# KiCad board TKL.kicad_pcb (continued)
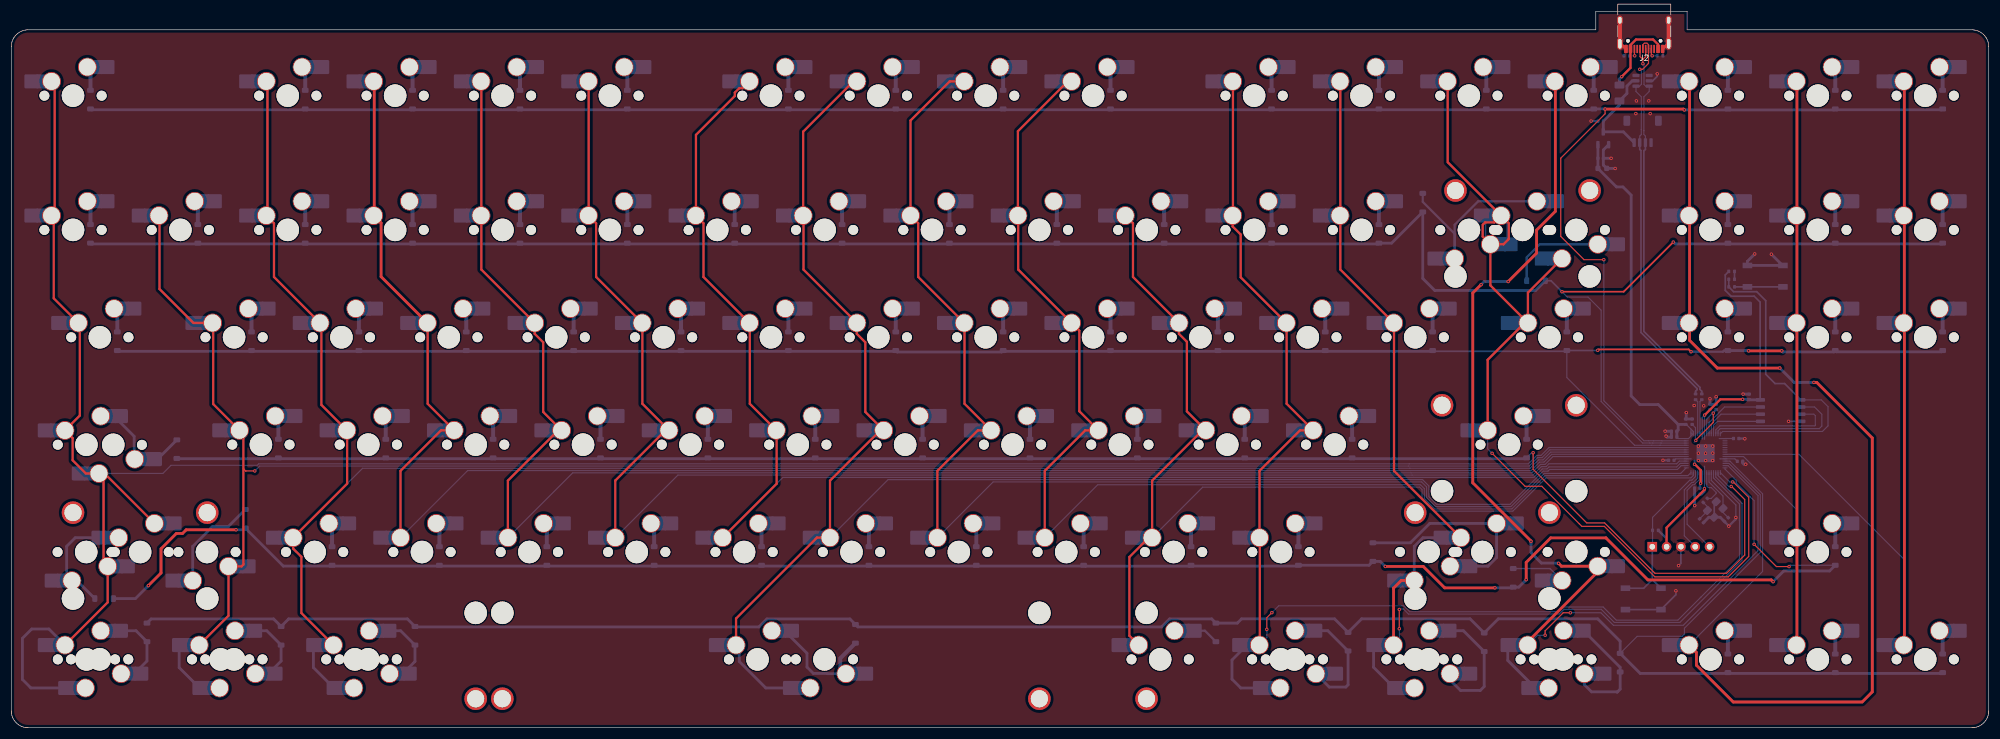
[diagram p0: board, top side]
## Footprints (pads in the part's own frame, mm; a bottom-side part is the same pattern mirrored in y, then rotated) (continued)
  rrect 0.3x1.45 smd: A5(-1.25,4.045) A6(-0.25,4.045) A7(0.25,4.045) A8(1.25,4.045) B5(1.75,4.045) B6(0.75,4.045) B7(-0.75,4.045) B8(-1.75,4.045)
  oval 1x2.1 hole 0.6x1.7: SH(-4.32,3.13) SH(4.32,3.13)
  oval 1x1.6 hole 0.6x1.2: SH(-4.32,-1.05) SH(4.32,-1.05)

## Nets
+1V1: C5.1 C6.1 C13.1 U1.23 U1.45 U1.50
+3V3: C2.1 C3.1 C7.1 C8.1 C9.1 C10.1 C11.1 C14.1 C15.1 C16.1 C17.1 J1.2 R5.2 R7.2 U1.1 U1.10 U1.22 U1.33 U1.42 U1.43 U1.44 U1.48 U1.49 U2.2 U4.8
+5V: C1.1 F1.2 J3.1 U2.3 U3.5
GND: BOOTSEL1.1 C1.2 C2.2 C3.2 C4.2 C5.2 C6.2 C7.2 C8.2 C9.2 C10.2 C11.2 C12.2 C13.2 C14.2 C15.2 C16.2 C17.2 J1.3 J2.A1 J2.A12 J2.B1 J2.B12 J2.SH J3.4 R3.2 R4.2 RESETSW1.1 U1.19 U1.57 U2.1 U3.2 U4.4 Y1.2 Y1.4
VBUS: F1.1 J2.A4 J2.A9 J2.B4 J2.B9
COL0: MX1.1 MX17.1 MX36.1 MX54.1 MX55.2 MX69.1 MX71.2 MX86.1 MX97.2 U1.38
COL1: MX18.1 MX37.1 MX56.1 MX70.1 MX87.1 MX98.2 U1.37
COL2: MX2.1 MX19.1 MX38.1 MX57.1 MX72.1 MX88.1 MX99.2 U1.36
COL3: MX3.1 MX20.1 MX39.1 MX58.1 MX73.1 U1.35
COL4: MX4.1 MX21.1 MX40.1 MX59.1 MX74.1 U1.34
COL5: MX5.1 MX22.1 MX41.1 MX60.1 MX75.1 U1.32
COL6: MX6.1 MX23.1 MX42.1 MX61.1 MX76.1 U1.31
COL7: MX7.1 MX24.1 MX43.1 MX62.1 MX77.1 MX89.1 MX100.2 U1.30
COL8: MX8.1 MX25.1 MX44.1 MX63.1 MX78.1 U1.29
COL9: MX9.1 MX26.1 MX45.1 MX64.1 MX79.1 U1.28
COL10: MX27.1 MX46.1 MX65.1 MX80.1 MX90.1 U1.27
COL11: MX10.1 MX28.1 MX47.1 MX66.1 MX81.1 MX91.2 MX101.1 U1.18
COL12: MX11.1 MX29.1 MX48.1 MX82.1 MX84.2 MX92.2 MX102.1 U1.17
COL13: MX12.1 MX30.1 MX34.1 MX35.2 MX49.1 MX67.1 U1.15
COL14: MX13.1 MX85.1 MX93.2 MX103.1 U1.13
COL15: MX14.1 MX31.1 MX50.1 MX94.1 U1.11
COL16: MX15.1 MX32.1 MX51.1 MX83.1 MX95.1 U1.9
COL17: MX16.1 MX33.1 MX52.1 MX96.1 U1.8
D+: J2.A6 J2.B6 J3.3 R2.1 U3.3
D-: J2.A7 J2.B7 J3.2 R1.1 U3.4
Q_1O0: U1.53 U4.5
Q_1O1: U1.55 U4.2
Q_1O2: U1.54 U4.3
Q_1O3: U1.51 U4.7
Q_CLK: U1.52 U4.6
Q_SEL: R6.1 R8.2 U1.56 U4.1
RESET: J1.1 R7.1 RESETSW1.2 U1.26
ROW0: D1.1 D2.1 D3.1 D4.1 D5.1 D6.1 D7.1 D8.1 D9.1 D10.1 D11.1 D12.1 D13.1 D14.1 D15.1 D16.1 U1.41
ROW1: D17.1 D18.1 D19.1 D20.1 D21.1 D22.1 D23.1 D24.1 D25.1 D26.1 D27.1 D28.1 D29.1 D31.1 D32.1 D33.1 D34.1 D35.1 U1.40
ROW2: D36.1 D37.1 D38.1 D39.1 D40.1 D41.1 D42.1 D43.1 D44.1 D45.1 D46.1 D47.1 D48.1 D49.1 D50.1 D51.1 D52.1 U1.39
ROW3: D55.1 D56.1 D57.1 D58.1 D59.1 D60.1 D61.1 D62.1 D63.1 D64.1 D65.1 D66.1 D67.1 U1.16
ROW4: D69.1 D70.1 D72.1 D73.1 D74.1 D75.1 D76.1 D77.1 D78.1 D79.1 D80.1 D81.1 D83.1 D84.1 D85.1 U1.14
ROW5: D86.1 D87.1 D88.1 D89.1 D90.1 D91.1 D92.1 D93.1 D94.1 D95.1 D96.1 U1.12
SWC: J1.5 U1.24
SWD: J1.4 U1.25
XIN: C12.1 U1.20 Y1.3
XOUT: R9.1 U1.21
Net-(BOOTSEL1-Pad2): BOOTSEL1.2 R8.1
Net-(C4-Pad1): C4.1 R9.2 Y1.1
Net-(D1-A): D1.2 MX1.2
Net-(D2-A): D2.2 MX2.2
Net-(D3-A): D3.2 MX3.2
Net-(D4-A): D4.2 MX4.2
Net-(D5-A): D5.2 MX5.2
Net-(D6-A): D6.2 MX6.2
Net-(D7-A): D7.2 MX7.2
Net-(D8-A): D8.2 MX8.2
Net-(D9-A): D9.2 MX9.2
Net-(D10-A): D10.2 MX10.2
Net-(D11-A): D11.2 MX11.2
Net-(D12-A): D12.2 MX12.2
Net-(D13-A): D13.2 MX13.2
Net-(D14-A): D14.2 MX14.2
Net-(D15-A): D15.2 MX15.2
Net-(D16-A): D16.2 MX16.2
Net-(D17-A): D17.2 MX17.2
Net-(D18-A): D18.2 MX18.2
Net-(D19-A): D19.2 MX19.2
Net-(D20-A): D20.2 MX20.2
Net-(D21-A): D21.2 MX21.2
Net-(D22-A): D22.2 MX22.2
Net-(D23-A): D23.2 MX23.2
Net-(D24-A): D24.2 MX24.2
Net-(D25-A): D25.2 MX25.2
Net-(D26-A): D26.2 MX26.2
Net-(D27-A): D27.2 MX27.2
Net-(D28-A): D28.2 MX28.2
Net-(D29-A): D29.2 MX29.2
Net-(D31-A): D31.2 MX31.2
Net-(D32-A): D32.2 MX32.2
Net-(D33-A): D33.2 MX33.2
Net-(D34-A): D34.2 MX30.2 MX34.2
Net-(D35-A): D35.2 MX35.1
Net-(D36-A): D36.2 MX36.2
Net-(D37-A): D37.2 MX37.2
Net-(D38-A): D38.2 MX38.2
Net-(D39-A): D39.2 MX39.2
Net-(D40-A): D40.2 MX40.2
Net-(D41-A): D41.2 MX41.2
Net-(D42-A): D42.2 MX42.2
Net-(D43-A): D43.2 MX43.2
Net-(D44-A): D44.2 MX44.2
Net-(D45-A): D45.2 MX45.2
Net-(D46-A): D46.2 MX46.2
Net-(D47-A): D47.2 MX47.2
Net-(D48-A): D48.2 MX48.2
Net-(D49-A): D49.2 MX49.2
Net-(D50-A): D50.2 MX50.2
Net-(D51-A): D51.2 MX51.2
Net-(D52-A): D52.2 MX52.2
Net-(D55-A): D55.2 MX54.2 MX55.1
Net-(D56-A): D56.2 MX56.2
Net-(D57-A): D57.2 MX57.2
Net-(D58-A): D58.2 MX58.2
Net-(D59-A): D59.2 MX59.2
Net-(D60-A): D60.2 MX60.2
Net-(D61-A): D61.2 MX61.2
Net-(D62-A): D62.2 MX62.2
Net-(D63-A): D63.2 MX63.2
Net-(D64-A): D64.2 MX64.2
Net-(D65-A): D65.2 MX65.2
Net-(D66-A): D66.2 MX66.2
Net-(D67-A): D67.2 MX67.2
Net-(D69-A): D69.2 MX69.2 MX71.1
Net-(D70-A): D70.2 MX70.2
Net-(D72-A): D72.2 MX72.2
Net-(D73-A): D73.2 MX73.2
Net-(D74-A): D74.2 MX74.2
Net-(D75-A): D75.2 MX75.2
Net-(D76-A): D76.2 MX76.2
Net-(D77-A): D77.2 MX77.2
Net-(D78-A): D78.2 MX78.2
Net-(D79-A): D79.2 MX79.2
Net-(D80-A): D80.2 MX80.2
Net-(D81-A): D81.2 MX81.2
Net-(D83-A): D83.2 MX83.2
Net-(D84-A): D84.2 MX82.2 MX84.1
Net-(D85-A): D85.2 MX85.2
Net-(D86-A): D86.2 MX86.2 MX97.1
Net-(D87-A): D87.2 MX87.2 MX98.1
Net-(D88-A): D88.2 MX88.2 MX99.1
Net-(D89-A): D89.2 MX89.2 MX100.1
Net-(D90-A): D90.2 MX90.2
Net-(D91-A): D91.2 MX91.1 MX101.2
Net-(D92-A): D92.2 MX92.1 MX102.2
Net-(D93-A): D93.2 MX93.1 MX103.2
Net-(D94-A): D94.2 MX94.2
Net-(D95-A): D95.2 MX95.2
Net-(D96-A): D96.2 MX96.2
Net-(J2-CC1): J2.A5 R3.1
Net-(J2-CC2): J2.B5 R4.1
Net-(R5-Pad1): R5.1 R6.2
Net-(U1-USB_DM): R1.2 U1.46
Net-(U1-USB_DP): R2.2 U1.47

Pads without a net: J2 A8 B8; J3 MP; U1 2 3 4 5 6 7; U3 1 6

## Via types
v1: diameter 0.6, hole 0.3, Top to Bottom, 82 vias

## Routing (per net, layer and track width the routed paths; a pad name or vN(x,y) marks a point on that pad's centre or on a via; arc(x,y) is an arc through that point)
+1V1: length 23.1
  Top w0.2: v1(301.96,55.81) 301.96,54.15 298.88,51.06 v1(298.88,50.96)
  Top w0.4: v1(298.64,46.74) 298.69,46.74 299.73,45.71 v1(299.73,43.36)
  Bottom w0.2: 298.82,50.91 v1(298.88,50.96) ; v1(298.88,50.96) 298.81,51.03 U1.45 298.81,53.23 C5.1 ; v1(298.88,50.96) 298.88,50.94 298.56,50.63 ; U1.23 300.01,43.65 v1(299.73,43.36) ; U1.50 300.81,54.77 C13.1 301.96,55.92 v1(301.96,55.81)
  Bottom w0.3: v1(298.64,46.74) 298.64,47.41 298.65,47.42
  Bottom w0.4: v1(298.64,46.74) 298.64,46.79 ; C6.1 299.61,43.24 v1(299.73,43.36)
+3V3: length 149.5
  Top w0.4: v1(307.18,58.26) 303.23,58.26 v1(300.43,55.46) ; J1.2 293.69,35.5 300.44,42.25 300.44,42.37 v1(300.4,42.41)
  Bottom w0.2: 297.18,53.81 298.41,52.58 U1.44 ; C9.1 305.8,47.7 U1.10 303.18,47.7 303.18,47.7 ; U1.44 U1.43 298.01,52.98 ; U1.44 297.57,51.3 U1.42 295.76,51.3 C17.1 ; 300.41,55.31 300.41,55.46 ; 300.41,55.31 U1.49 ; 300.41,55.31 300.41,55.45 v1(300.43,55.46) ; U1.48 300.01,51.25 300.01,51.24 ; U1.48 300.01,55.07 C14.1 ; U1.48 U1.49 ; 300.4,46.38 300.41,46.38 U1.22 300.41,42.42 v1(300.4,42.41) ; 303.04,51.3 303.04,51.3 U1.1 304.05,51.31 C11.1 ; U1.49 300.41,51.23 300.4,51.22 ; 298,47.7 298,47.7 U1.33 295.32,47.7 295.06,47.45 C10.1
  Bottom w0.3: R5.2 304.1,80.34 304.1,77.59 305.12,76.56 309.23,76.56 310.27,75.51 310.27,58.23
  Bottom w0.4: C16.1 299.9,41.43 300.4,41.93 v1(300.4,42.41) ; J1.2 293.69,33.54 R7.2
  Bottom w0.5: C2.1 281.5,99.24 ; 295.73,53.84 295.73,52.82 C15.1 295.5,51.56 ; C8.1 295.73,53.81 292.2,57.34 288.93,57.34 287.4,58.86 287.4,94.49 285.94,95.95 284.79,95.95 C7.1 ; 297.18,53.81 297.08,53.81 ; 307.98,58.27 308.07,58.17 U4.8 ; 307.98,58.27 307.18,58.27 v1(307.17,58.26) ; 307.98,58.27 308.23,58.27 ; U2.2 281.5,101.03
+5V: length 18.1
  Bottom w0.5: 282.46,105.73 C1.1 285.32,110.49 F1.2 286.65,112.54 286.65,113.84 287.58,114.77 U3.5 ; U2.3 286.02,105.72 J3.1
GND: length 86
  Top w0.5: 292.98,120.43 293.89,121.34 ; 286.48,120.43 285.56,121.34
  Top w0.7: J2.SH J2.SH ; J2.SH J2.SH
  Bottom w0.2: U1.19 301.61,43.88 305.98,39.51 v1(305.98,37.31)
  Bottom w0.3: v1(295.81,28.75) 296.23,29.17 J1.3 ; RESETSW1.1 RESETSW1.1 295.33,23.6 295.33,24.28 ; Y1.4 302.13,39.75 ; U4.4 315.33,54.36 v1(315.32,54.36) ; U3.2 291.23,114.77 292.02,115.57 v1(292.02,116.01)
  Bottom w0.4: C10.2 293.05,47.45 ; 293.93,47.38 293.93,47.39 ; C1.2 280.3,107.62 v1(280.29,107.63) ; C12.2 304.73,35.81 v1(304.73,35.76) 305.98,37.01 v1(305.98,37.31) ; v1(307.57,51.26) 307.52,51.31 C11.2
  Bottom w0.5: v1(301.38,58.36) C14.2 C13.2 v1(302.48,58.71) ; 294.58,51.82 294.58,51.82 ; v1(298.68,39.41) 298.66,39.42 C16.2 ; v1(293.59,51.73) 293.76,51.56 C17.2 ; C2.2 282.46,102.51 U2.1 ; C2.2 282.46,99.83 C7.2 284.53,99.24 v1(284.54,99.22) ; C2.2 v1(283.85,101.03) ; C12.2 303.19,37.34 Y1.4 301.18,37.34 C4.2 ; v1(307.73,46.75) 307.41,46.75 307.19,46.96 C9.2 ; v1(307.26,59.18) 307.27,59.19 C3.2 ; v1(309.32,84.06) 308.03,82.76 BOOTSEL1.1 BOOTSEL1.1 ; 298.64,41.45 C6.2 ; 293.44,52.59 C15.2 294.55,51.56 ; C5.2 297.18,54.77 v1(297.18,55.91) ; 314.27,82.01 v1(312.27,84.01)
  vias: v1(288.23,108.96) v1(288.32,111.21) v1(290.52,111.21) v1(290.77,108.96) v1(293.04,47.46) v1(293.42,52.61) v1(295.33,24.29) v1(298.57,57.16) v1(299.32,49.96) v1(299.32,48.71) v1(299.32,47.41) v1(300.27,57.11) v1(300.62,49.96) v1(300.61,48.7) v1(300.62,47.41) v1(301.88,49.96) v1(301.88,48.71) v1(301.88,47.41)
VBUS: length 14.4
  Top w0.4: v1(285.73,115.51) 287.27,117.06 287.27,121.13 288.26,122.11 291.28,122.11 292.18,121.22 292.18,120.43
  Bottom w0.5: v1(285.73,115.51) 285.32,115.11 F1.1
COL0: length 433.6
  Top w0.4: MX86.1 17.1,22.24 MX69.1 ; MX36.1 7.54,76.19 7.54,90.48 MX17.1 7.7,91.43 7.7,114.12 MX1.1 ; 11.96,71.76 12.16,71.57 12.16,55.38 MX54.1 10.89,51.38 10.89,47.45 13.22,45.11 MX55.2 ; MX71.2 16.54,45.11 ; 16.38,29.36 16.38,44.29
  Bottom w0.2: MX55.2 26.9,45.11 28.34,46.55 43.63,46.55 43.9,46.82 248.01,46.82 269.14,46.82 270.64,48.32 271.43,48.32 272.82,49.71 292.37,49.71 292.38,49.7 U1.38
  Bottom w0.5: MX86.1 6.68,17.51 3.62,17.51 1.98,15.86 1.98,8.56 3.48,7.05 MX97.2
COL1: length 354.6
  Top w0.2: v1(43.2,45.56) 41.62,45.56 41.6,45.55 41.59,45.55 41.16,45.97
  Top w0.4: MX87.1 38.53,19.86 MX70.1 40.87,28.64 41.18,28.95 41.18,52.07 ; MX56.1 35.83,57.42 35.83,71.71 ; MX37.1 32.32,71.82 26.3,77.84 26.3,90.76
  Bottom w0.2: v1(43.2,45.56) 44.06,46.42 247.89,46.42 ; U1.37 272.98,49.3 271.59,47.92 270.81,47.92 269.31,46.42 247.85,46.42
  Bottom w0.5: MX98.2 29.79,10.67 MX87.1
COL2: length 374.7
  Top w0.4: 59.59,52.71 59.59,43.3 MX72.1 50.01,31.78 51.47,30.31 51.47,20.34 MX88.1 ; MX19.1 46.61,89.5 46.61,79.97 MX38.1 ; MX57.1 55.03,57.27 55.03,71.56 ; 45.45,114.47 45.45,91.07
  Bottom w0.2: MX72.1 62.31,46.02 248.15,46.02 ; U1.36 273.14,48.9 271.76,47.52 270.97,47.52 269.47,46.02 248.01,46.02
  Bottom w0.5: MX88.1 53.6,10.67 MX99.2
COL3: length 326.2
  Top w0.4: 73.88,71.76 73.88,57.47 MX58.1 76.25,52.77 69.06,45.57 MX73.1
  Top w0.5: MX20.1 65.61,89.55 65.61,80.02 MX39.1 ; 64.4,114.57 64.4,90.97
  Bottom w0.2: 248.18,45.62 269.64,45.62 271.14,47.12 271.92,47.12 273.31,48.5 U1.35 ; MX73.1 80.97,45.62 248.2,45.62
COL4: length 305.5
  Top w0.4: MX59.1 94.38,56.02 94.38,68.37 92.87,69.88 MX40.1 83.4,81.29 83.4,90.81 ; MX74.1 88.11,43.84 97.03,52.77 ; 83.4,114.62 83.4,90.92
  Bottom w0.2: MX74.1 99.61,45.22 248.4,45.22 ; 248.34,45.22 269.8,45.22 271.3,46.72 272.13,46.72 273.52,48.1 U1.34
COL5: length 286.1
  Top w0.4: MX22.1 103.76,89.5 103.76,79.97 111.92,71.82 ; 116.08,52.77 107.16,43.84 MX75.1 ; 102.45,114.62 102.45,90.92 ; 111.97,71.76 111.97,57.47 MX60.1
  Bottom w0.2: MX75.1 118.26,44.82 248.58,44.82 ; 248.51,44.82 269.97,44.82 271.47,46.32 272.31,46.32 272.82,46.83 295.48,46.83 295.95,47.3 U1.32
COL6: length 271.5
  Top w0.4: MX23.1 122.81,89.5 122.81,79.97 MX42.1 ; MX6.1 129.75,113.46 129.15,113.46 128.38,112.69 128.38,112.08 121.47,105.18 121.47,90.9 ; 131.03,71.76 131.03,57.47 MX61.1 ; MX76.1 135.79,43.3 135.79,52.71
  Bottom w0.2: 248.68,44.42 270.13,44.42 271.63,45.92 272.47,45.92 272.82,46.27 295.48,46.27 296.11,46.9 U1.31 ; MX76.1 136.91,44.42 248.79,44.42
COL7: length 301.1
  Top w0.4: MX24.1 140.5,105.76 149.42,114.68 ; MX89.1 128.59,19.38 142.92,33.72 MX77.1 145.26,43.84 154.18,52.77 ; MX62.1 151.53,56.02 151.53,68.37 150.02,69.88 MX43.1 140.55,81.29 140.55,90.81
  Bottom w0.2: U1.30 296.29,46.5 295.61,45.82 272.94,45.82 272.64,45.52 271.8,45.52 265.9,39.63 252.87,39.63 251.5,41 251.5,42.9 250.39,44.01 155.56,44.01 MX77.1
  Bottom w0.5: MX100.2 133.87,7.05 129.16,11.76 129.16,14.09 MX89.1
COL8: length 240.3
  Top w0.4: MX78.1 164.31,45.57 171.5,52.77 MX63.1 169.12,57.47 169.12,71.76 ; MX44.1 160.91,79.97 160.91,89.5 MX25.1 159.54,107.73 166.49,114.68 MX8.1
  Bottom w0.2: MX78.1 174.21,43.61 250.23,43.61 251.1,42.74 251.1,40.83 252.71,39.23 266.07,39.23 271.97,45.12 296.19,45.12 U1.29
COL9: length 219.8
  Top w0.4: 187.44,114.68 178.59,105.83 MX26.1 ; 178.65,90.81 178.65,81.29 MX45.1 189.49,70.45 189.49,56.16 MX64.1 190.55,52.77 183.36,45.57 MX79.1
  Bottom w0.2: U1.28 297.46,44.72 272.13,44.72 266.23,38.83 252.54,38.83 250.7,40.67 250.7,42.42 250.02,43.1 192.75,43.1 MX79.1
COL10: length 193.6
  Top w0.4: MX65.1 208.57,56.12 208.57,68.47 207.17,69.88 MX46.1 199.01,79.97 199.01,89.5 MX27.1 ; MX80.1 202.41,43.84 211.33,52.77 ; MX90.1 198.38,16.32 198.38,30.29 201.8,33.72
  Bottom w0.2: U1.27 298.41,44.73 298,44.32 272.3,44.32 266.4,38.43 252.37,38.43 250.3,40.5 250.3,42.26 249.87,42.68 211.38,42.68 MX80.1
COL11: length 244.3
  Top w0.2: v1(223.66,20.42) 222.75,19.52 v1(222.75,17.44)
  Top w0.4: 216.75,114.62 216.75,90.92 ; 221.51,33.66 221.51,14.76 ; MX47.1 218.12,79.91 218.12,87.5 216.69,88.93 MX28.1 ; 226.28,71.76 226.28,57.47 MX66.1 228.65,52.77 221.46,45.57 MX81.1
  Bottom w0.2: v1(223.66,20.42) 224.87,21.63 247.05,21.63 248.11,20.58 274.46,20.58 275.31,21.42 282.43,21.42 284.76,19.08 295.69,19.08 299.82,23.22 ; v1(222.75,17.44) 222.75,16 MX101.1 ; 299.69,23.09 306.62,30.01 306.62,36.8 306.61,36.81 306.61,37.14 306.62,37.15 306.62,39.7 302.01,44.3 U1.18
  Bottom w0.4: 219.24,14.67 MX101.1 ; 222.78,7.05 MX91.2
  Bottom w0.5: 220.49,7.05 222.78,7.05 ; MX91.2 218.14,7.05 216.57,8.61 216.57,12.01 219.24,14.67
COL12: length 219.3
  Top w0.2: v1(246.25,20.98) 246.25,17.57 v1(246.26,17.56)
  Top w0.4: 235.8,114.62 235.8,90.92 ; MX48.1 235.8,81.29 235.8,90.81 ; 245.32,71.76 245.32,45.57 MX82.1
  Top w0.5: MX102.1 245.24,24.76 246.59,26.11 MX84.2
  Bottom w0.2: 274.05,20.16 274.61,20.16 275.46,21.01 282.08,21.01 284.42,18.68 296.05,18.68 307.07,29.71 307.07,39.8 302.41,44.47 U1.17 ; v1(246.26,17.56) 246.26,15.7 MX102.1 ; v1(246.25,20.98) 246.35,21.07 246.99,21.07 247.89,20.16 274.01,20.16
  Bottom w0.5: MX84.2 248.93,32.18 250.46,33.72 MX82.1 ; MX92.2 241.69,10.73 MX102.1
COL13: length 181.6
  Top w0.2: v1(305.41,43.6) 305.52,43.6 308.25,40.87 308.25,30.4 304.63,26.77 291.59,26.77 282.64,35.72 278.65,35.72 278.18,36.2 ; v1(262.73,48.68) 268.57,42.83 271.55,42.83 278.25,36.13
  Top w0.4: 268.48,71.82 261.94,65.28 MX67.1 ; 254.85,114.62 254.85,100.34 MX30.1 ; MX30.1 265.69,89.5 265.69,86.7 264.76,85.77 MX34.1 ; MX30.1 263.11,89.65 261.48,89.65 261.06,89.23 261.06,87.14 MX34.1 ; MX34.1 262.43,78.47 MX49.1 269.08,77.19 MX35.2
  Bottom w0.2: U1.15 304.87,43.6 v1(305.41,43.6) ; v1(262.73,48.68) 261.94,49.47 261.94,50.52 ; 261.94,50.13 MX67.1
  Bottom w0.25: 261.57,86.62 261.57,90.06 ; 265.38,89.81 265.38,86.37
COL14: length 208.2
  Top w0.2: v1(276.61,20.39) 275.33,20.39 272.13,17.19 v1(272.13,16.41)
  Top w0.5: v1(269.62,33.06) 269.62,33.13 259.29,43.46 259.29,77.13 v1(260.77,78.61) ; MX103.1 269.05,15.26 281.47,27.68 MX85.1 275.04,28.65 v1(274.52,29.16) ; v1(265.57,79.16) 270.62,84.21 270.62,88.3 273.95,91.62 273.95,114.57
  Bottom w0.2: v1(272.13,16.41) 270.79,16.41 MX103.1 ; v1(276.61,20.39) 282.04,20.39 284.25,18.17 296.64,18.17 309.9,31.43 309.9,41.18 304.58,46.5 U1.13
  Bottom w0.5: v1(260.77,78.61) 261.32,79.16 v1(265.57,79.16) ; MX103.1 265.5,11.95 270.4,7.05 MX93.2 ; v1(269.62,33.06) 269.62,31.06 271.48,29.21 274.48,29.21 v1(274.52,29.16)
COL15: length 210.1
  Top w0.5: 297.76,71.92 297.76,90.76 ; v1(313.77,63.81) 302.68,63.81 297.76,68.73 297.76,71.71 ; MX94.1 298.97,13.35 298.97,11.09 305.5,4.56 328.38,4.56 330.18,6.36 330.18,51.41 320.32,61.26 v1(319.82,61.26) ; 297.76,114.57 297.76,90.97
  Bottom w0.2: MX94.1 310.71,27.72 310.71,41.5 304.91,47.3 U1.11
  Bottom w0.5: v1(319.82,61.26) 316.32,61.26 v1(313.77,63.81)
COL16: length 120.7
  Top w0.5: 316.81,90.97 316.81,114.57 ; 316.81,14.77 316.81,33.61 ; 316.81,33.82 316.81,71.71 ; 316.81,71.92 316.81,90.76
  Bottom w0.2: MX83.1 316.71,38.74 307.34,48.1 U1.9
COL17: length 154
  Top w0.5: 335.88,71.7 335.88,14.78 ; 335.86,114.57 335.86,90.97 ; 335.86,90.76 335.86,71.92
  Bottom w0.2: MX96.1 335.76,29.91 317.17,48.5 U1.8
D+: length 69.2
  Top w0.2: 289.47,118.62 289.47,117.82 v1(289.48,117.81) ; 289.98,120.43 289.98,119.08 289.51,118.61 289.43,118.61 288.98,119.06 288.98,120.43
  Bottom w0.2: v1(289.48,117.81) 289.68,117.62 289.68,114.12 289.98,113.82 U3.3 290.6,112.88 289.65,111.93 289.65,105.94 289.65,105.94 289.65,105.25 289.93,104.98 J3.3
  Bottom w0.3: 289.7,102.37 289.93,102.6 J3.3 ; R2.1 299.93,59.7 299.6,60.03 299.6,60.37 289.65,70.32 289.65,102.41
D-: length 70.6
  Top w0.2: v1(288.93,116.81) 289.43,116.81 290.48,117.86 290.48,121.18 290.21,121.45 289.74,121.45 289.48,121.18 289.48,120.43
  Bottom w0.2: 288.25,113.82 288.87,113.82 289.23,114.17 289.23,116.51 v1(288.93,116.81) ; U3.4 288.25,112.88 289.2,111.93 289.2,106.11 289.2,106.11 289.2,105.25 288.93,104.98 J3.2
  Bottom w0.3: R1.1 298.82,59.7 299.1,59.98 299.1,60.17 289.15,70.12 289.15,102.41 ; 289.15,102.37 288.93,102.6 J3.2
Q_1O0: length 10.1
  Bottom w0.2: U4.5 302.72,54.36 302.01,53.65 U1.53
Q_1O1: length 25.6
  Bottom w0.2: U1.55 302.81,52.68 303.2,53.06 320.77,53.06 321.23,53.51 321.23,55.61 319.94,56.9 317.51,56.9
Q_1O2: length 23.1
  Bottom w0.2: U4.3 319.81,55.63 320.07,55.36 320.07,53.66 319.98,53.56 303.13,53.56 302.41,52.84 U1.54
Q_1O3: length 12.3
  Bottom w0.2: 310.34,56.9 303.96,56.9 301.21,54.15 U1.51
Q_CLK: length 11.2
  Bottom w0.2: U1.52 301.61,53.9 303.34,55.63 U4.6
Q_SEL: length 58.5
  Bottom w0.2: U1.56 303.63,52.56 321.32,52.56 322.32,53.56 322.32,56.96 321.12,58.17 U4.1
  Bottom w0.3: U4.1 314.62,61.06 312.93,61.06 311.27,62.71 311.27,75.76 309.68,77.36 305.57,77.36 R8.2 R6.1
RESET: length 30
  Bottom w0.2: 291.19,32.16 R7.1 291.19,37.33 ; 291.19,37.32 297.8,43.92 298.17,43.92 298.81,44.57 U1.26
  Bottom w0.3: 291.17,26.29 289.63,24.75 RESETSW1.2 ; 291.14,26.29 RESETSW1.2 ; J1.1 291.15,26.24
ROW0: length 402.2
  Top w0.2: v1(282.55,83.04) 279.02,83.04 274.9,87.16 274.9,101.05 282.77,108.92 282.77,109.75
  Top w0.5: v1(282.77,109.76) 296.68,109.76 v1(296.82,109.61)
  Bottom w0.2: U1.41 292.87,50.9 292.86,50.91 291.4,50.91 291.4,50.91 290.54,50.91 290.54,50.91 289.65,50.91 282.55,58.02 v1(282.55,83.04)
  Bottom w0.5: 242.79,109.64 261.56,109.64 ; 223.74,109.64 242.51,109.64 ; 323.76,109.64 342.52,109.64 ; 304.39,109.61 v1(296.82,109.61) ; 109.44,109.64 137.73,109.64 ; 14.19,109.64 52.01,109.64 ; 157.07,109.64 175.83,109.64 ; v1(282.77,109.76) 282.75,109.79 D13.1 ; 71.34,109.64 90.11,109.64 ; 176.12,109.64 194.88,109.64 ; 195.17,109.64 223.46,109.64 ; 52.29,109.64 71.06,109.64 ; 138.02,109.64 156.78,109.64 ; 261.84,109.64 280.61,109.64 ; 304.74,109.61 323.44,109.61 ; 90.39,109.64 109.16,109.64
ROW1: length 387.4
  Top w0.3: v1(294.88,86.16) 286.07,77.36 v1(275.12,77.36)
  Bottom w0.2: 275.12,77.36 276.07,76.4 279.74,76.4 282.07,74.07 282.07,57.87 289.43,50.51 290.7,50.51 290.7,50.51 291.23,50.51 291.23,50.51 292.7,50.51 292.71,50.5 U1.40
  Bottom w0.3: v1(275.12,77.36) 273.18,79.31 D35.1
  Bottom w0.5: 323.76,85.83 342.52,85.83 ; 52.29,85.83 71.06,85.83 ; 128.49,85.83 147.26,85.83 ; 204.69,85.83 223.46,85.83 ; 90.39,85.83 109.16,85.83 ; 33.24,85.83 52.01,85.83 ; 304.71,85.83 323.47,85.83 ; D29.1 244.89,85.98 D34.1 250.43,79.71 252.56,77.58 270.44,77.58 D35.1 ; 185.64,85.83 204.41,85.83 ; 71.34,85.83 90.11,85.83 ; 223.74,85.83 242.51,85.83 ; 109.44,85.83 128.21,85.83 ; 166.59,85.83 185.36,85.83 ; 147.54,85.83 166.31,85.83 ; 304.42,85.83 295.21,85.83 v1(294.88,86.16) ; 14.19,85.83 32.96,85.83
ROW2: length 352.3
  Top w0.3: v1(298.02,66.71) 297.62,67.11 281.62,67.11 v1(281.48,66.96)
  Top w0.5: v1(308.23,66.86) v1(314.12,66.86)
  Bottom w0.2: U1.39 292.54,50.1 292.53,50.11 288.01,50.11 275.99,62.13 D49.1
  Bottom w0.3: D49.1 281.44,66.93 ; 252.32,66.78 275.84,66.78
  Bottom w0.4: v1(298.02,66.71) 303.68,66.71 303.89,66.93 D50.1
  Bottom w0.5: 118.97,66.78 137.73,66.78 ; 281.44,66.93 v1(281.48,66.96) ; 214.22,66.78 232.98,66.78 ; D43.1 157.19,66.66 175.71,66.66 D44.1 ; D52.1 342.43,66.69 323.84,66.69 D51.1 323.36,66.67 314.31,66.67 v1(314.12,66.86) ; 233.27,66.78 252.03,66.78 ; 176.12,66.78 194.88,66.78 ; 99.92,66.78 118.68,66.78 ; 138.02,66.78 156.78,66.78 ; 195.17,66.78 213.93,66.78 ; 42.77,66.78 61.53,66.78 ; 61.82,66.78 80.58,66.78 ; D50.1 308.16,66.93 v1(308.23,66.86) ; 18.96,66.78 42.48,66.78 ; 80.87,66.78 99.63,66.78
ROW3: length 304
  Top w0.2: v1(270,48.79) 270,45.85 279.51,36.34 282.69,36.34 291.62,27.4 304.31,27.4 307.55,30.63 307.55,40.48 305.23,42.8 v1(305.14,42.8)
  Bottom w0.2: v1(270,48.79) 269.76,48.79 D67.1 ; U1.16 302.81,44.73 304.74,42.8 v1(305.14,42.8)
  Bottom w0.5: 85.63,47.73 104.39,47.73 ; 47.53,47.73 66.29,47.73 ; 218.98,47.73 237.74,47.73 ; 180.88,47.73 199.64,47.73 ; 142.78,47.73 161.54,47.73 ; 66.58,47.73 85.34,47.73 ; 238.03,47.73 268.7,47.73 ; 29.42,47.73 47.24,47.73 ; 104.68,47.73 123.44,47.73 ; 161.83,47.73 180.59,47.73 ; 123.73,47.73 142.49,47.73 ; 199.93,47.73 218.69,47.73
ROW4: length 357
  Top w0.2: v1(315.42,28.59) 313.17,28.59 v1(309.21,32.54)
  Top w0.5: v1(39.88,35.11) 31.02,35.11 30.38,34.46 29.28,34.46 26.57,31.74 26.57,27.45 v1(24.33,25.21) ; v1(312.57,25.91) 312.26,26.22 290.38,26.22 282.91,33.69 273.13,33.69 268.77,29.33 v1(268.77,26.26) ; v1(243.77,28.61) 250.52,28.61 254.32,24.81 v1(263.23,24.81)
  Bottom w0.2: v1(315.42,28.59) 315.65,28.83 D83.1 ; U1.14 304.05,45.89 306.04,43.9 306.04,43.45 308.47,41.01 308.48,41.01 309.21,40.28 v1(309.21,32.54)
  Bottom w0.5: 171.36,28.68 190.12,28.68 ; D85.1 267.45,24.94 v1(268.77,26.26) ; D69.1 22.02,22.91 v1(24.33,25.21) ; D83.1 322.6,27.81 314.48,27.81 v1(312.57,25.91) ; v1(39.88,35.11) 41.23,35.11 D70.1 48.26,28.68 56.77,28.68 ; 76.11,28.68 94.87,28.68 ; 57.06,28.68 75.82,28.68 ; 152.31,28.68 171.07,28.68 ; v1(243.77,28.61) 242.88,29.51 D84.1 240.89,28.83 D81.1 ; 133.26,28.68 152.02,28.68 ; 209.46,28.68 228.22,28.68 ; 190.43,28.66 209.15,28.66 ; 114.21,28.68 132.97,28.68 ; v1(263.23,24.81) 266.35,24.81 ; 95.16,28.68 113.92,28.68
ROW5: length 383.2
  Bottom w0.2: U1.12 304.75,46.9 310.31,41.34 310.31,31.12 296.85,17.66 296.85,16.62 296.45,16.22 288.47,16.22 D93.1
  Bottom w0.5: 304.42,9.63 289.01,9.63 D93.1 285.44,15.34 281.48,19.31 263.82,19.31 D92.1 258.81,19.32 239.59,19.32 D91.1 234.78,19.31 218.28,19.31 217.53,18.56 D90.1 212.98,19.31 205.51,19.31 204.09,17.89 150.2,17.89 D89.1 148.78,19.31 134.07,19.31 132.65,17.89 71.7,17.89 ; D88.1 70.28,19.31 49.22,19.31 D87.1 46.53,19.31 24.82,19.31 D86.1 ; 304.71,9.63 323.47,9.63 ; 323.76,9.63 342.52,9.63
SWC: length 15.9
  Bottom w0.2: U1.24 299.61,44.13 298.6,43.12 298.32,43.12 297.32,42.13 297.32,36.09 J1.5
SWD: length 15.1
  Bottom w0.2: 296.82,34.05 J1.4 ; 296.83,34.05 296.83,42.2 298.15,43.52 298.43,43.52 299.21,44.3 U1.25
XIN: length 8.7
  Bottom w0.2: C12.1 303.69,38.2 ; U1.20 301.21,43.59 303.69,41.11 Y1.3
XOUT: length 6.6
  Bottom w0.2: U1.21 300.81,42.92 301.12,42.61 301.62,42.61 302.48,41.75 302.48,41.56 301.6,40.69 R9.1
Net-(BOOTSEL1-Pad2): length 8.6
  Bottom w0.3: R8.1 BOOTSEL1.2 BOOTSEL1.2
Net-(C4-Pad1): length 3
  Bottom w0.2: C4.1 300.93,38.45 ; 300.93,39.22 R9.2
Net-(D1-A): length 3.6
  Bottom w0.7: 14.05,113.09 14.05,116.66
Net-(D2-A): length 3.6
  Bottom w0.7: 52.15,113.09 52.15,116.66
Net-(D3-A): length 3.6
  Bottom w0.7: 71.2,113.09 71.2,116.66
Net-(D4-A): length 3.6
  Bottom w0.7: 90.25,113.09 90.25,116.66
Net-(D5-A): length 3.6
  Bottom w0.7: 109.3,113.09 109.3,116.66
Net-(D6-A): length 3.6
  Bottom w0.7: 137.88,113.09 137.88,116.66
Net-(D7-A): length 3.6
  Bottom w0.7: 156.93,113.09 156.93,116.66
Net-(D8-A): length 3.6
  Bottom w0.7: 175.97,113.09 175.97,116.66
Net-(D9-A): length 3.6
  Bottom w0.7: 195.03,113.09 195.03,116.66
Net-(D10-A): length 3.6
  Bottom w0.7: 223.6,113.09 223.6,116.66
Net-(D11-A): length 3.6
  Bottom w0.7: 242.65,113.09 242.65,116.66
Net-(D12-A): length 3.6
  Bottom w0.7: 261.7,113.09 261.7,116.66
Net-(D13-A): length 3.6
  Bottom w0.7: 280.75,113.09 280.75,116.66
Net-(D14-A): length 3.6
  Bottom w0.7: 304.56,113.09 304.56,116.66
Net-(D15-A): length 3.6
  Bottom w0.7: 323.61,113.09 323.61,116.66
Net-(D16-A): length 3.6
  Bottom w0.7: 342.66,113.09 342.66,116.66
Net-(D17-A): length 3.6
  Bottom w0.7: D17.2 14.05,92.85
Net-(D18-A): length 3.6
  Bottom w0.7: D18.2 33.1,92.85
Net-(D19-A): length 3.6
  Bottom w0.7: D19.2 52.15,92.85
Net-(D20-A): length 3.6
  Bottom w0.7: D20.2 71.2,92.85
Net-(D21-A): length 3.6
  Bottom w0.7: D21.2 90.25,92.85
Net-(D22-A): length 3.6
  Bottom w0.7: D22.2 109.3,92.85
Net-(D23-A): length 3.6
  Bottom w0.7: D23.2 128.35,92.85
Net-(D24-A): length 3.6
  Bottom w0.7: D24.2 147.4,92.85
Net-(D25-A): length 3.6
  Bottom w0.7: D25.2 166.45,92.85
Net-(D26-A): length 3.6
  Bottom w0.7: D26.2 185.5,92.85
Net-(D27-A): length 3.6
  Bottom w0.7: D27.2 204.55,92.85
Net-(D28-A): length 3.6
  Bottom w0.7: D28.2 223.6,92.85
Net-(D29-A): length 3.6
  Bottom w0.7: D29.2 242.65,92.85
Net-(D31-A): length 3.6
  Bottom w0.7: D31.2 304.56,92.85
Net-(D32-A): length 3.6
  Bottom w0.7: D32.2 323.61,92.85
Net-(D33-A): length 3.6
  Bottom w0.7: D33.2 342.66,92.85
Net-(D34-A): length 36.2
  Bottom w0.4: D34.2 250.43,93.31 256.07,87.66 MX34.2 256.07,89.23 260.25,93.41 MX30.2
Net-(D35-A): length 17.7
  Bottom w0.4: MX35.1 271.16,85.77 268.88,83.48 D35.2
Net-(D36-A): length 3.6
  Bottom w0.7: D36.2 18.81,73.8
Net-(D37-A): length 3.6
  Bottom w0.7: D37.2 42.62,73.8
Net-(D38-A): length 3.6
  Bottom w0.7: D38.2 61.67,73.8
Net-(D39-A): length 3.6
  Bottom w0.7: D39.2 80.72,73.8
Net-(D40-A): length 3.6
  Bottom w0.7: D40.2 99.78,73.8
Net-(D41-A): length 3.6
  Bottom w0.7: D41.2 118.82,73.8
Net-(D42-A): length 3.6
  Bottom w0.7: D42.2 137.88,73.8
Net-(D43-A): length 3.6
  Bottom w0.7: D43.2 156.93,73.8
Net-(D44-A): length 3.6
  Bottom w0.7: D44.2 175.97,73.8
Net-(D45-A): length 3.6
  Bottom w0.7: D45.2 195.03,73.8
Net-(D46-A): length 3.6
  Bottom w0.7: D46.2 214.07,73.8
Net-(D47-A): length 3.6
  Bottom w0.7: D47.2 233.12,73.8
Net-(D48-A): length 3.6
  Bottom w0.7: D48.2 252.18,73.8
Net-(D49-A): length 3.6
  Bottom w0.7: D49.2 275.99,73.8
Net-(D50-A): length 3.6
  Bottom w0.7: D50.2 304.56,73.8
Net-(D51-A): length 3.6
  Bottom w0.7: D51.2 323.61,73.8
Net-(D52-A): length 3.6
  Bottom w0.7: D52.2 342.66,73.8
Net-(D55-A): length 20.2
  Bottom w0.5: 21.8,47.76 21.8,51.7 18.21,55.29 MX54.2 ; MX55.1 25.95,47.65 D55.2
Net-(D56-A): length 3.6
  Bottom w0.7: D56.2 47.39,54.75
Net-(D57-A): length 3.6
  Bottom w0.7: D57.2 66.44,54.75
Net-(D58-A): length 3.6
  Bottom w0.7: D58.2 85.49,54.75
Net-(D59-A): length 3.6
  Bottom w0.7: D59.2 104.54,54.75
Net-(D60-A): length 3.6
  Bottom w0.7: D60.2 123.59,54.75
Net-(D61-A): length 3.6
  Bottom w0.7: D61.2 142.64,54.75
Net-(D62-A): length 3.6
  Bottom w0.7: D62.2 161.69,54.75
Net-(D63-A): length 3.6
  Bottom w0.7: D63.2 180.74,54.75
Net-(D64-A): length 3.6
  Bottom w0.7: D64.2 199.79,54.75
Net-(D65-A): length 3.6
  Bottom w0.7: D65.2 218.84,54.75
Net-(D66-A): length 3.6
  Bottom w0.7: D66.2 237.89,54.75
Net-(D67-A): length 3.6
  Bottom w0.7: D67.2 268.84,54.75
Net-(D69-A): length 19.5
  Bottom w0.5: D69.2 11.64,26.1 ; 9.82,27.02 9.82,32.18 11.36,33.72 MX71.1
Net-(D70-A): length 18.1
  Bottom w0.5: D70.2 38.52,35.71 35.73,35.71 32.19,32.16 MX70.2
Net-(D72-A): length 4.4
  Bottom w0.7: D72.2 56.91,35.7 MX72.2
Net-(D73-A): length 3.6
  Bottom w0.7: D73.2 75.96,35.7
Net-(D74-A): length 3.6
  Bottom w0.7: D74.2 95.01,35.7
Net-(D75-A): length 3.6
  Bottom w0.7: D75.2 114.06,35.7
Net-(D76-A): length 3.6
  Bottom w0.7: D76.2 133.11,35.7
Net-(D77-A): length 3.6
  Bottom w0.7: D77.2 152.16,35.7
Net-(D78-A): length 3.6
  Bottom w0.7: D78.2 171.21,35.7
Net-(D79-A): length 3.6
  Bottom w0.7: D79.2 190.26,35.7
